# Allegro board ultrasound_tnr_1000a_01_20171121.brd (continued)
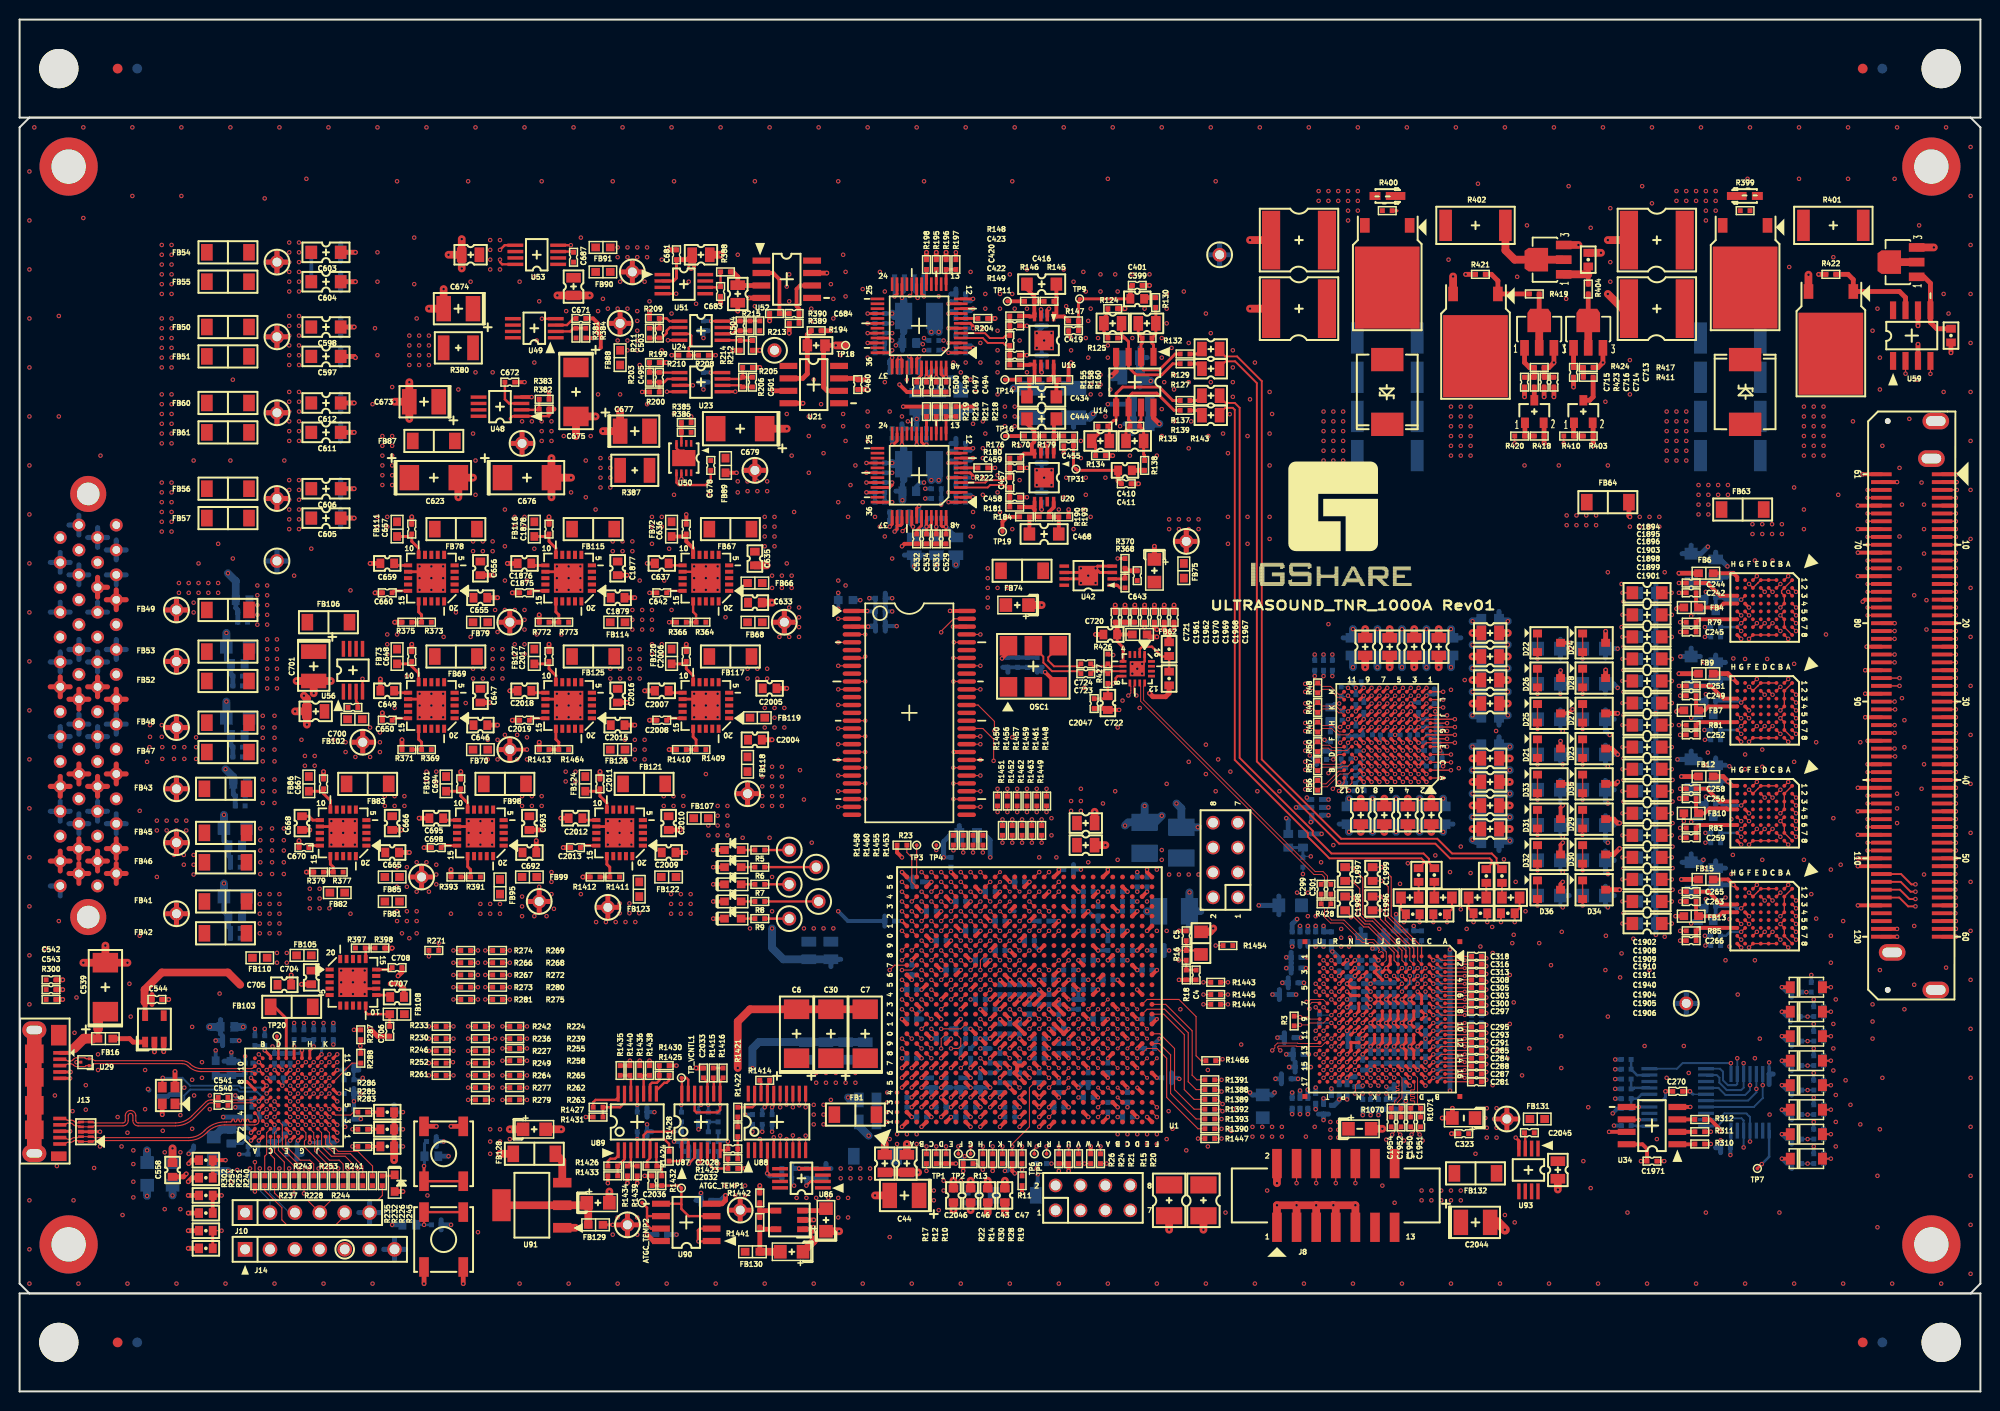
[diagram p0: board, top side]
## Placement (name value [footprint] x y rotation side) (continued)
C408  1uF  [CC2012]  121.5 101.62 180 top
C409  1uF  [CC2012]  121.5 99.62 180 top
C410  4.7uF  [CC1608]  112.75 94 0 top
C411  150pF  [CC1005]  112.88 92.62 0 top
C414  3.3nF  [CC2012]  113.75 97 0 top
C416  820pF  [CC3216]  104.25 113 0 top
C417  10uF  [TC3528]  103.25 100.88 270 bottom
C418  100nF  [CC1005]  104.25 105.25 90 bottom
C419  10nF  [CC1005]  107.5 108.25 180 top
C420  390pF  [CC1005]  101 107.25 270 top
C422  100pF  [CC1005]  101.5 105.75 0 top
C423  100pF  [CC1005]  101.5 108.75 0 top
C428  100nF  [CC1005]  104.25 109.25 90 bottom
C429  10uF  [TC3528]  107.5 100.88 270 bottom
C434  820pF  [CC3216]  104.25 101.5 0 top
C444  820pF  [CC3216]  104.25 99.25 0 top
C452  100nF  [CC1005]  104.25 91.25 90 bottom
C455  10nF  [CC1005]  107 96.5 180 top
C457  390pF  [CC1005]  101 92.75 270 top
C458  100pF  [CC1005]  101.5 91.25 0 top
C459  100pF  [CC1005]  101.5 94.25 0 top
C460  100nF  [CC1005]  85.5 102.75 90 top
C462  100nF  [CC1005]  104.25 95.25 90 bottom
C468  820pF  [CC3216]  104.5 87.5 0 top
C469  1uF  [CC1005]  89.75 112.75 0 bottom
C470  100nF  [CC1005]  89.75 113.75 0 bottom
C471  1uF  [CC1005]  89.25 105 0 bottom
C472  1uF  [CC1005]  87.75 107 0 bottom
C473  1uF  [CC1005]  91.75 113.75 180 bottom
C474  100nF  [CC1005]  89.25 104 0 bottom
C475  100nF  [CC1005]  87.75 106 0 bottom
C476  100nF  [CC1005]  91.75 112.75 180 bottom
C477  47uF  [CC3225]  91.75 94.62 180 bottom
C478  4.7uF  [CC1608]  90.75 91.88 180 bottom
C479  1uF  [CC1005]  93.5 91.12 0 bottom
C480  100nF  [CC1005]  93.5 92.12 0 bottom
C481  1uF  [CC1005]  96 111.25 180 bottom
C482  1uF  [CC1005]  96 110.25 180 bottom
C483  1uF  [CC1005]  96 108.5 180 bottom
C484  1uF  [CC1005]  96 106.75 180 bottom
C485  1uF  [CC1005]  91.25 105 180 bottom
C486  100nF  [CC1005]  96 112 180 bottom
C487  100nF  [CC1005]  96 109.5 180 bottom
C488  100nF  [CC1005]  96 107.75 180 bottom
C489  100nF  [CC1005]  96 106 180 bottom
C490  100nF  [CC1005]  91.25 104 180 bottom
C491  100nF  [CC1005]  69.75 103.5 270 bottom
C492  100nF  [CC1005]  93.62 104.12 180 bottom
C493  10uF  [CC2012]  96 101 270 bottom
C494  100nF  [CC1005]  94.5 102.5 270 top
C495  1nF  [CC1005]  65.25 103.5 90 top
C496  10uF  [CC2012]  93.75 101 270 bottom
C497  100nF  [CC1005]  93.5 102.5 270 top
C498  10uF  [CC2012]  91.5 101 270 bottom
C499  100nF  [CC1005]  92.5 102.5 270 top
C500  100nF  [CC1005]  91.5 102.5 270 top
C501  1nF  [CC1005]  74.75 103 90 top
C502  100nF  [CC1005]  69.75 108.75 270 bottom
C503  1nF  [CC1005]  65.25 108 90 top
C504  1nF  [CC1005]  73.5 108.75 90 top
C505  1uF  [CC1005]  89.25 88.88 0 bottom
C506  100nF  [CC1005]  89.25 89.75 0 bottom
C507  1uF  [CC1005]  87.75 91.75 0 bottom
C508  1uF  [CC1005]  92 97.25 180 bottom
C509  1uF  [CC1005]  89.5 98.25 0 bottom
C510  100nF  [CC1005]  87.75 90.75 0 bottom
C511  100nF  [CC1005]  92 98.25 180 bottom
C512  100nF  [CC1005]  89.5 97.25 0 bottom
C513  47uF  [CC3225]  91.75 109.75 180 bottom
C514  4.7uF  [CC1608]  90.75 107 180 bottom
C515  1uF  [CC1005]  93.25 107.25 0 bottom
C516  100nF  [CC1005]  93.25 106.25 0 bottom
C517  1uF  [CC1005]  96 96.75 180 bottom
C518  1uF  [CC1005]  96 95 180 bottom
C519  1uF  [CC1005]  96 93.25 180 bottom
C520  1uF  [CC1005]  96 91.5 180 bottom
C521  1uF  [CC1005]  91.25 89.75 180 bottom
C522  100nF  [CC1005]  96 96 180 bottom
C523  100nF  [CC1005]  96 94.25 180 bottom
C524  100nF  [CC1005]  96 92.5 180 bottom
C525  100nF  [CC1005]  96 90.75 180 bottom
C526  100nF  [CC1005]  91.25 88.88 180 bottom
C527  100nF  [CC1005]  93.5 89.12 180 bottom
C528  10uF  [CC2012]  95.5 86.25 270 bottom
C529  100nF  [CC1005]  94.5 87 270 top
C530  10uF  [CC2012]  93.5 86.25 270 bottom
C531  100nF  [CC1005]  93.5 87 270 top
C532  100nF  [CC1005]  91.5 87 270 top
C533  10uF  [CC2012]  91.25 86.25 270 bottom
C534  100nF  [CC1005]  92.5 87 270 top
C535  100nF  [CC1005]  42 25.5 0 bottom
C536  100nF  [CC1005]  42.5 17 180 bottom
C537  13pF  [CC1005]  14.6 30.6 270 bottom
C538  13pF  [CC1005]  15.8 29.8 90 bottom
C539  150uF  [TC6032]  8.75 41.25 90 top
C540  100nF  [CC1005]  20.75 29.2 0 top
C541  100nF  [CC1005]  20.75 30 0 top
C542  100nF  [CC1005]  3.2 42 0 top
C543  100nF  [CC1005]  3.2 41 0 top
C544  100nF  [CC1005]  14 40 180 top
C545  100nF  [CC1005]  27.6 34 270 bottom
C546  100nF  [CC1005]  32 36.4 270 bottom
C547  100nF  [CC1005]  31 36.4 270 bottom
C548  100nF  [CC1005]  33.6 30.4 180 bottom
C549  100nF  [CC1005]  21.2 35.8 0 bottom
C550  100nF  [CC1005]  33.6 27.8 180 bottom
C551  100nF  [CC1005]  31 25.4 180 bottom
C552  100nF  [CC1005]  33.6 28.8 180 bottom
C553  100nF  [CC1005]  26 26 90 bottom
C554  10nF  [CC1005]  28 36.4 270 bottom
C555  100nF  [CC1005]  23 33 270 bottom
C556  2.2uF  [CC1608]  21.6 33 270 bottom
C557  100nF  [CC1005]  24 28 0 bottom
C558  22uF  [CC1608]  15.6 22.6 90 top
C559  100nF  [CC1005]  23 26.4 90 bottom
C560  22uF  [CC1608]  21.6 26 90 bottom
C561  100nF  [CC1005]  23.2 29 0 bottom
C562  10nF  [CC1005]  23.2 29.8 0 bottom
C563  100nF  [CC1005]  23.8 33 90 bottom
C564  2.2uF  [CC1608]  21.2 37.2 0 bottom
C565  100nF  [CC1005]  23.8 25 0 bottom
C566  10nF  [CC1005]  23.8 24.2 0 bottom
C567  100nF  [CC1005]  27.8 24.2 180 bottom
C568  10nF  [CC1005]  27.8 25 180 bottom
C569  100nF  [CC1005]  29 36.4 270 bottom
C570  10nF  [CC1005]  30 36.4 270 bottom
C571  100nF  [CC1005]  24 35.8 270 bottom
C572  10nF  [CC1005]  25 35.8 270 bottom
C573  100nF  [CC1005]  27 26.8 90 bottom
C574  100nF  [CC1005]  33.6 32.8 180 bottom
C575  10nF  [CC1005]  33.6 31.8 180 bottom
C594  1uF  [CC1608]  22.75 80.75 180 bottom
C595  100nF  [CC1005]  22.75 79.5 180 bottom
C596  1nF  [CC1005]  22.75 78.5 180 bottom
C597  100nF  [CC3216]  31.25 105.62 0 top
C598  100nF  [CC3216]  31.25 108.62 0 top
C599  10uF  [TC2012]  22.25 76 180 bottom
C600  1uF  [CC1608]  22.25 74.25 180 bottom
C601  100nF  [CC1005]  22.25 73 180 bottom
C602  1nF  [CC1005]  22.25 72 180 bottom
C603  100nF  [CC3216]  31.25 116.25 0 top
C604  100nF  [CC3216]  31.25 113.25 0 top
C605  100nF  [CC3216]  31.25 89.12 0 top
C606  100nF  [CC3216]  31.25 92.12 0 top
C609  10uF  [CC2012]  86.25 34.75 90 bottom
C610  10uF  [CC2012]  82.25 34.75 90 bottom
C611  100nF  [CC3216]  31.25 97.88 0 top
C612  100nF  [CC3216]  31.25 100.88 0 top
C613  1uF  [CC1608]  22 48.5 180 bottom
C614  100nF  [CC1005]  22 47.25 180 bottom
C615  1nF  [CC1005]  22 46.25 180 bottom
C616  10UF  [TC2012]  22 50.5 180 bottom
C617  1uF  [CC1608]  22.5 62 0 bottom
C618  100nF  [CC1005]  22.5 59.75 0 bottom
C619  1nF  [CC1005]  22.5 60.75 0 bottom
C623  22uF  [TC6032]  42.25 93.25 0 top
C625  1uF  [CC1608]  22 55.75 180 bottom
C626  100nF  [CC1005]  22 53.5 180 bottom
C627  1nF  [CC1005]  22 54.5 180 bottom
C628  10UF  [TC2012]  22 57.5 180 bottom
C629  10UF  [TC2012]  22.25 68.75 180 bottom
C630  1uF  [CC1608]  22.25 67 180 bottom
C631  100nF  [CC1005]  22.25 64.75 180 bottom
C632  1nF  [CC1005]  22.25 65.75 180 bottom
C633  1uF  [CC1608]  75 80.5 0 top
C635  1uF  [CC1608]  75 85 270 top
C636  100nF  [CC1005]  68 88 90 top
C637  1uF  [CC1608]  65.5 84.5 180 top
C642  1nF  [CC1005]  65.5 81.5 180 top
C643  10nF  [CC1005]  114 83.25 90 top
C644  10uF  [TC2012]  101.75 80.25 180 top
C645  10uF  [TC2012]  115.75 83.75 270 top
C646  1uF  [CC1608]  47 68 0 top
C647  1uF  [CC1608]  47 71 270 top
C648  100nF  [CC1005]  40 75 90 top
C649  1uF  [CC1608]  37.5 71.5 180 top
C650  1nF  [CC1005]  37.5 68.5 180 top
C655  1uF  [CC1608]  47 81 0 top
C656  1uF  [CC1608]  47 84 270 top
C657  100nF  [CC1005]  40 88 90 top
C659  1uF  [CC1608]  37.5 84.5 180 top
C660  1nF  [CC1005]  37.5 81.5 180 top
C665  1uF  [CC1608]  38 55 0 top
C666  1uF  [CC1608]  38 58 270 top
C667  100nF  [CC1005]  31 62 90 top
C668  1uF  [CC1608]  28.8 58 270 top
C670  1nF  [CC1005]  29 55.5 180 top
C671  10nF  [CC1005]  57.25 109.5 0 top
C672  10nF  [CC1005]  50 103 0 top
C673  10uF  [TC3528]  41.25 101 180 top
C674  10uF  [TC3528]  44.75 110.5 180 top
C675  22uF  [TC6032]  56.75 102 270 top
C676  22uF  [TC6032]  51.75 93.25 0 top
C677  10uF  [TC3528]  62.75 98 0 top
C678  10nF  [CC1005]  70.5 94.5 270 top
C679  22uF  [TC6032]  73.5 98.25 180 top
C680  10uF  [CC2012]  69.5 116 0 top
C681  100nF  [CC1005]  67 116 90 top
C682  10uF  [CC2012]  73.25 112 270 top
C683  100nF  [CC1005]  71.5 112.25 270 top
C684  22pF  [CC1005]  79 110 0 top
C685  10uF  [CC2012]  56.5 112.75 270 top
C686  10uF  [CC2012]  46 116 180 top
C687  10nF  [CC1005]  56.5 115.75 90 top
C692  1uF  [CC1608]  52 55 0 top
C693  1uF  [CC1608]  52 58 270 top
C694  100nF  [CC1005]  45 62 90 top
C695  1uF  [CC1608]  42.5 58.5 180 top
C698  1nF  [CC1005]  42.5 55.5 180 top
C699  10uF  [CC2012]  30.2 69.4 180 top
C700  10nF  [CC1005]  34 69.8 0 top
C701  10UF  [TC3528]  30 74 270 top
C704  1uF  [CC1608]  29.75 42.25 270 top
C705  1uF  [CC1608]  27 41.5 0 top
C706  100nF  [CC1005]  37.75 36.75 270 top
C707  1uF  [CC1608]  38.5 40.25 0 top
C708  1nF  [CC1005]  38.5 43.25 0 top
C709  4.7uF  [CC5750]  167 110.5 0 top
C710  4.7uF  [CC5750]  167 117.5 0 top
C711  4.7uF  [CC5750]  130.5 117.5 0 top
C712  4.7uF  [CC5750]  130.5 110.5 0 top
C713  100nF/DNI  [CC1005]  158.5 104 90 top
C714  100nF  [CC1005]  156.5 103 90 top
C715  100nF/DNI  [CC1005]  153.5 103 90 top
C716  100nF  [CC1005]  155.5 103 90 top
C717  100nF  [CC1005]  87.8 80.95 180 bottom
C718  10nF  [CC1005]  87.8 78.1 180 bottom
C719  1nF  [CC1005]  87.8 79.6 180 bottom
C720  4.7uF  [CC1608]  111.25 77.25 180 top
C721  100nF  [CC1005]  111.75 79 90 top
C722  4.7uF  [CC1608]  111 70.25 270 top
C723  100nF  [CC1005]  108.75 73.25 180 top
C724  100nF  [CC1005]  108.75 74.25 180 top
C1875  1nF  [CC1005]  51.5 81.5 180 top
C1876  1uF  [CC1608]  51.5 84.5 180 top
C1877  1uF  [CC1608]  61 84 270 top
C1878  100nF  [CC1005]  54 88 90 top
C1879  1uF  [CC1608]  61 81 0 top
C1894  100nF  [CC3216]  166 81.5 0 top
C1895  100nF  [CC3216]  166 79.25 0 top
C1896  100nF  [CC3216]  166 77 0 top
C1898  100nF  [CC3216]  166 72.5 0 top
C1899  100nF  [CC3216]  166 70.25 0 top
C1901  100nF  [CC3216]  166 68 0 top
C1902  100nF  [CC3216]  166 65.75 0 top
C1903  100nF  [CC3216]  166 74.75 0 top
C1904  100nF  [CC3216]  166 52.25 0 top
C1905  100nF  [CC3216]  166 50 0 top
C1906  100nF  [CC3216]  166 47.75 0 top
C1908  100nF  [CC3216]  166 63.5 0 top
C1909  100nF  [CC3216]  166 61.25 0 top
C1910  100nF  [CC3216]  166 59 0 top
C1911  100nF  [CC3216]  166 56.75 0 top
C1940  100nF  [CC3216]  166 54.5 0 top
C1950  100nF  [CC1005]  141.9 27.5 270 top
C1951  100nF  [CC1005]  142.9 27.5 270 top
C1952  100nF  [CC1005]  140.9 27.5 270 top
C1954  100nF  [CC1005]  139.9 27.5 270 top
C1961  100nF  [CC1005]  112.75 79 90 top
C1962  100nF  [CC1005]  113.75 79 90 top
C1963  100nF  [CC1005]  100.8 74.4 270 bottom
C1964  100nF  [CC1005]  101.8 74.4 270 bottom
C1965  1nF  [CC1005]  103.8 74.4 270 bottom
C1966  100nF  [CC1005]  102.8 74.4 270 bottom
C1967  100nF  [CC1005]  117.75 79 90 top
C1968  100nF  [CC1005]  116.75 79 90 top
C1969  100nF  [CC1005]  115.75 79 90 top
C1970  100nF  [CC1005]  114.75 79 90 top
C1971  100nF  [CC1005]  166.5 23.5 0 top
C1972  1uF  [CC1005]  148.6 32 180 bottom
C1973  1uF  [CC1005]  148.6 32.8 180 bottom
C1974  1uF  [CC1005]  148.6 34.4 180 bottom
C1975  1uF  [CC1005]  148.6 35.2 180 bottom
C1976  1uF  [CC1005]  148.6 33.6 180 bottom
C1977  1uF  [CC1005]  148.6 36 180 bottom
C1978  1uF  [CC1005]  148.6 36.8 180 bottom
C1979  1uF  [CC1005]  148.6 37.6 180 bottom
C1980  1uF  [CC1005]  148.6 38.4 180 bottom
C1981  1uF  [CC1005]  148.6 39.2 180 bottom
C1982  1uF  [CC1005]  148.6 40 180 bottom
C1983  1uF  [CC1005]  148.6 40.8 180 bottom
C1984  1uF  [CC1005]  148.6 41.6 180 bottom
C1985  1uF  [CC1005]  148.6 42.4 180 bottom
C1986  1uF  [CC1005]  148.6 43.2 180 bottom
C1987  1uF  [CC1005]  148.6 44 180 bottom
C1988  680pF  [RC1608]  149 48.8 0 top
C1989  22uF  [RC2012]  148.7 50.4 180 top
C1990  680pF  [RC1608]  151.8 48.8 180 top
C1991  22uF  [RC2012]  152.1 50.4 0 top
C1992  680pF  [RC1608]  144.9 48.7 180 top
C1993  22uF  [RC2012]  145.2 50.4 0 top
C1994  680pF  [RC1608]  142.1 48.7 0 top
C1995  22uF  [RC2012]  141.8 50.4 180 top
C1996  1uF  [CC1608]  138 49.8 270 top
C1997  1uF  [CC1608]  135.2 52.8 270 top
C1998  1uF  [CC1608]  135.2 49.8 90 top
C1999  1uF  [CC1608]  138 52.8 90 top
C2000  1uF  [CC1005]  140.6 46.5 270 bottom
C2001  1uF  [CC1005]  141.4 46.5 270 bottom
C2002  1uF  [CC1005]  142.2 46.5 270 bottom
C2003  1uF  [CC1005]  143 46.5 270 bottom
C2004  1uF  [CC1608]  75 66.5 0 top
C2005  1uF  [CC1608]  76.5 71.75 0 top
C2006  100nF  [CC1005]  68 75 90 top
C2007  1uF  [CC1608]  65.5 71.5 180 top
C2008  1nF  [CC1005]  65.5 68.5 180 top
C2009  1uF  [CC1608]  66.2 55 0 top
C2010  1uF  [CC1608]  66.2 58 270 top
C2011  100nF  [CC1005]  59.2 62 90 top
C2012  1uF  [CC1608]  56.7 58.5 180 top
C2013  1nF  [CC1005]  56.7 55.5 180 top
C2015  1uF  [CC1608]  61 68 0 top
C2016  1uF  [CC1608]  61 71 270 top
C2017  100nF  [CC1005]  54 75 90 top
C2018  1uF  [CC1608]  51.5 71.5 180 top
C2019  1nF  [CC1005]  51.5 68.5 180 top
C2020  10pF  [CC1005]  81.25 22.25 90 bottom
C2021  220nF  [RC1005]  80.25 22.25 90 bottom
C2022  100nF  [CC1005]  82.25 22.25 90 bottom
C2023  100nF  [CC1005]  68.75 24.5 180 bottom
C2024  100nF  [CC1005]  78.25 22.75 0 bottom
C2025  100nF  [CC1005]  69.25 28 270 bottom
C2026  10pF  [CC1005]  78.25 21.75 0 bottom
C2027  100nF  [CC1005]  75.75 27.75 270 bottom
C2028  150pF  [CC1005]  72.75 24.75 0 top
C2029  330pF  [RC1005]  71.25 28 270 bottom
C2030  100nF  [CC1005]  76.75 27.75 270 bottom
C2031  10pF  [CC1005]  74.75 27.75 270 bottom
C2032  120pF  [RC1005]  72.75 22.75 0 top
C2033  120pF  [RC1005]  69.75 32.5 90 top
C2034  100nF  [CC1005]  63.5 26.5 0 bottom
C2035  100nF  [CC1005]  63.5 28.5 0 bottom
C2036  1nF  [CC1005]  64.5 21.5 90 top
C2037  100nF  [CC1005]  65.5 16 0 bottom
C2038  100nF  [CC1005]  70 19.5 180 bottom
C2039  10uF  [TC2012]  52.5 26.75 0 top
C2040  10uF  [TC2012]  59 19.25 0 top
C2041  10uF  [TC2012]  82.25 17.5 90 top
C2042  10uF  [TC2012]  78.75 14.25 180 top
C2043  10uF  [CC2012]  156.9 22.6 270 top
C2044  10UF  [TC3528]  148.5 17.25 0 top
C2045  10nF  [CC1005]  154 26.4 180 top
C2046  4.7uF  [CC1608]  95.25 20 270 top
C2047  100nF  [CC1005]  109.6 70.2 270 top
D1  BL-HG036A-AV-TRB  [LED1608]  72.75 55.25 180 top
D2  BL-HG036A-AV-TRB  [LED1608]  72.75 53.5 180 top
D3  BL-HG036A-AV-TRB  [LED1608]  72.75 51.75 180 top
D4  BL-HG036A-AV-TRB  [LED1608]  72.75 50 180 top
D5  BL-HG036A-AV-TRB  [LED1608]  72.75 48.25 180 top
D6  MMSZ5235B  [SOD-123W]  182.25 41.25 0 top
D7  MMSZ5235B  [SOD-123W]  182.25 38.75 0 top
D8  MMSZ5235B  [SOD-123W]  182.25 36.25 0 top
D9  MMSZ5235B  [SOD-123W]  182.25 33.75 0 top
D10  MMSZ5235B  [SOD-123W]  182.25 31.25 0 top
D11  MMSZ5235B  [SOD-123W]  182.25 28.75 0 top
D12  MMSZ5235B  [SOD-123W]  182.25 26.25 0 top
D13  MMSZ5235B  [SOD-123W]  182.25 23.75 0 top
D14  ES3D  [DO-214AB]  176 102 90 top
D15  ES3D  [DO-214AB]  139.5 102 270 top
D16  TFZGTR12B  [ZD-TFZ12B]  176.5 122 180 top
D17  TFZGTR12B  [ZD-TFZ12B]  139 122 0 top
D20  BL-HG036A-AV-TRB  [LED1608]  38.25 21.25 90 top
D21  BAT54S  [SOT-23]  156 65.6 270 top
D22  BAT54S  [SOT-23]  156 76.4 270 top
D23  BAT54S  [SOT-23]  160.6 65.6 270 top
D24  BAT54S  [SOT-23]  160.6 76.4 270 top
D25  BAT54S  [SOT-23]  156 69.2 270 top
D26  BAT54S  [SOT-23]  156 72.8 270 top
D27  BAT54S  [SOT-23]  160.6 69.2 270 top
D28  BAT54S  [SOT-23]  160.6 72.8 270 top
D29  BAT54S  [SOT-23]  160.6 58.4 270 top
D30  BAT54S  [SOT-23]  160.6 54.8 270 top
D31  BAT54S  [SOT-23]  156 58.4 270 top
D32  BAT54S  [SOT-23]  156 54.8 270 top
D33  BAT54S  [SOT-23]  156 62 270 top
D34  BAT54S  [SOT-23]  160.6 51.2 270 top
D35  BAT54S  [SOT-23]  160.6 62 270 top
D36  BAT54S  [SOT-23]  156 51.2 270 top
FB1  BLM41PG750SN1  [BEAD4516]  85.25 28.25 0 top
FB2  BLM41PG750SN1  [BEAD4516]  87.25 24 0 bottom
FB3  BLM41PG750SN1  [BEAD4516]  101.5 20 0 bottom
FB4  BLM18AG121SN1  [BEAD1608]  170.5 80 180 top
FB5  BLM18AG121SN1  [BEAD1608]  172.25 79.62 180 bottom
FB6  BLM18AG121SN1  [BEAD1608]  172 83.5 180 top
FB7  BLM18AG121SN1  [BEAD1608]  170.5 69.5 180 top
FB8  BLM18AG121SN1  [BEAD1608]  172 69 180 bottom
FB9  BLM18AG121SN1  [BEAD1608]  172 73.25 180 top
FB10  BLM18AG121SN1  [BEAD1608]  170.5 59 180 top
FB11  BLM18AG121SN1  [BEAD1608]  172 58.62 180 bottom
FB12  BLM18AG121SN1  [BEAD1608]  172 62.75 180 top
FB13  BLM18AG121SN1  [BEAD1608]  170.5 48.5 180 top
FB14  BLM18AG121SN1  [BEAD1608]  172 48 180 bottom
FB15  BLM18AG121SN1  [BEAD1608]  172 52.25 180 top
FB16  BLM18PG181SN1  [BEAD1608]  8.75 36 180 top
FB17  MPZ2012S601A  [BEAD2012]  19.8 24.8 270 bottom
FB18  MPZ2012S601A  [BEAD2012]  15.6 22.2 270 bottom
FB19  MPZ2012S601A  [BEAD2012]  13 22.2 270 bottom
FB41  BLM41PG600SN1  [BEAD4516]  21 50 0 top
FB42  BLM41PG600SN1  [BEAD4516]  21 46.75 0 top
FB43  BLM41PG600SN1  [BEAD4516]  21 61.5 0 top
FB45  BLM41PG600SN1  [BEAD4516]  21 57 0 top
FB46  BLM41PG600SN1  [BEAD4516]  21 54 0 top
FB47  BLM41PG600SN1  [BEAD4516]  21.25 65.25 0 top
FB48  BLM41PG600SN1  [BEAD4516]  21.25 68.25 0 top
FB49  BLM41PG181SN1  [BEAD4516]  21.25 79.75 0 top
FB50  BLM41PG181SN1  [BEAD4516]  21.25 108.62 0 top
FB51  BLM41PG181SN1  [BEAD4516]  21.25 105.62 0 top
FB52  BLM41PG181SN1  [BEAD4516]  21.25 72.5 0 top
FB53  BLM41PG181SN1  [BEAD4516]  21.25 75.5 0 top
FB54  BLM41PG181SN1  [BEAD4516]  21.25 116.25 0 top
FB55  BLM41PG181SN1  [BEAD4516]  21.25 113.25 0 top
FB56  BLM41PG181SN1  [BEAD4516]  21.25 92.12 0 top
FB57  BLM41PG181SN1  [BEAD4516]  21.25 89.12 0 top
FB60  BLM41PG181SN1  [BEAD4516]  21.25 100.88 0 top
FB61  BLM41PG181SN1  [BEAD4516]  21.25 97.88 0 top
FB62  BLM18PG181SN1  [BEAD1608]  114.25 77.25 180 top
FB63  BLM41PG750SN1  [BEAD4516]  175.75 90 0 top
FB64  BLM41PG750SN1  [BEAD4516]  162 90.75 0 top
FB66  BLM18PG181SN1  [BEAD1608]  75 82.5 0 top
FB67  BLM41PG750SN1  [BEAD4516]  72.5 88 180 top
FB68  BLM18PG181SN1  [BEAD1608]  75 78.5 0 top
FB69  BLM41PG750SN1  [BEAD4516]  44.5 75 180 top
FB70  BLM18PG181SN1  [BEAD1608]  47 65.5 0 top
FB72  BLM18PG181SN1  [BEAD1608]  66.5 88 270 top
FB73  BLM18PG181SN1  [BEAD1608]  38.5 75 270 top
FB74  BLM41PG750SN1  [BEAD4516]  102.25 83.75 0 top
FB75  BLM18PG181SN1  [BEAD1608]  118.75 83.75 90 top
FB78  BLM41PG750SN1  [BEAD4516]  44.5 88 180 top
FB79  BLM18PG181SN1  [BEAD1608]  47 78.5 0 top
FB81  BLM18PG181SN1  [BEAD1608]  38 50 0 top
FB82  BLM18PG181SN1  [BEAD1608]  32.4 50.9 180 top
FB83  BLM41PG750SN1  [BEAD4516]  35.5 62 180 top
FB84  BLM18PG181SN1  [BEAD1608]  20 33 270 bottom
FB85  BLM18PG181SN1  [BEAD1608]  38 52.5 0 top
FB86  BLM18PG181SN1  [BEAD1608]  29.5 62 270 top
FB87  BLM41PG750SN1  [BEAD4516]  42.25 97 0 top
FB88  BLM18PG181SN1  [BEAD1608]  61.25 105.5 90 top
FB89  BLM18PG181SN1  [BEAD1608]  72 94.5 270 top
FB90  BLM18PG181SN1  [BEAD1608]  59.5 114.25 0 top
FB91  BLM18PG181SN1  [BEAD1608]  59.5 116.75 180 top
FB95  BLM18PG181SN1  [BEAD1608]  49 51.5 270 top
FB98  BLM41PG750SN1  [BEAD4516]  49.5 62 180 top
FB99  BLM18PG181SN1  [BEAD1608]  52 52.5 0 top
FB101  BLM18PG181SN1  [BEAD1608]  43.5 62 270 top
FB102  BLM18PG181SN1  [BEAD1608]  34.2 68.6 0 top
FB103  BLM41PG750SN1  [BEAD4516]  27.75 39.25 0 top
FB105  BLM18PG181SN1  [BEAD1608]  29 44.5 180 top
FB106  BLM41PG750SN1  [BEAD4516]  31.5 78.5 0 top
FB107  BLM18PG181SN1  [BEAD1608]  69.5 58.5 0 top
FB108  BLM18PG181SN1  [BEAD1608]  38.5 38.5 180 top
FB109  BLM18PG181SN1  [BEAD1608]  84.25 80.75 0 bottom
FB110  BLM18PG181SN1  [BEAD1608]  24.5 44.25 0 top
FB111  BLM18PG181SN1  [BEAD1608]  38.5 88 270 top
FB114  BLM18PG181SN1  [BEAD1608]  61 78.5 0 top
FB115  BLM41PG750SN1  [BEAD4516]  58.5 88 180 top
FB116  BLM18PG181SN1  [BEAD1608]  52.5 88 270 top
FB117  BLM41PG750SN1  [BEAD4516]  72.5 75 180 top
FB118  BLM18PG181SN1  [BEAD1608]  74.25 64 270 top
FB119  BLM18PG181SN1  [BEAD1608]  75.25 68.75 0 top
FB120  BLM18PG181SN1  [BEAD1608]  66.5 75 270 top
FB121  BLM41PG750SN1  [BEAD4516]  63.7 62 180 top
FB122  BLM18PG181SN1  [BEAD1608]  66.2 52.5 0 top
FB123  BLM18PG181SN1  [BEAD1608]  63.2 51.25 270 top
FB124  BLM18PG181SN1  [BEAD1608]  57.7 62 270 top
FB125  BLM41PG750SN1  [BEAD4516]  58.5 75 180 top
FB126  BLM18PG181SN1  [BEAD1608]  61 65.5 0 top
FB127  BLM18PG181SN1  [BEAD1608]  52.5 75 270 top
FB128  BLM41PG750SN1  [BEAD4516]  52.5 24.25 0 top
FB129  BLM18PG181SN1  [BEAD1608]  58.75 17 0 top
FB130  BLM18PG181SN1  [BEAD1608]  74.75 14.25 180 top
FB131  BLM18PG181SN1  [BEAD1608]  154.8 27.8 180 top
FB132  BLM41PG750SN1  [BEAD4516]  148.5 22.25 0 top
FB133  BLM21PG221SN1  [BEAD2012]  120.5 45.75 90 top
H1  PCB_HOLE  [HOLE3_5]  5 125 0 top
H2  PCB_HOLE  [HOLE3_5]  195 125 0 top
H3  PCB_HOLE  [HOLE3_5]  5 15 0 top
H4  PCB_HOLE  [HOLE3_5]  195 15 0 top
J1  HEADER_2.54mm_2ROW_4P  [HEADER2X4_2_54MM]  123 55.5 90 top
J3  1__PIN__HDR  [1PIN-HDR]  78.5 55.25 0 top
J4  1__PIN__HDR  [1PIN-HDR]  81.25 53.5 0 top
J5  1__PIN__HDR  [1PIN-HDR]  78.5 51.75 0 top
J6  1__PIN__HDR  [1PIN-HDR]  81.5 50 0 top
J7  1__PIN__HDR  [1PIN-HDR]  78.5 48.25 0 top
J8  BOX-HEADER-14P,2mm/SMD  [BOX_HEADER2X7_2MM_SMD]  134.25 20 0 top
J10  Pin__Header_2.54mm_1row_6P  [HEADER6]  23 18.25 0 top
J12  8832E-060FS-N-F  [8832E-060-FS-N-F]  7 70 90 bottom
J13  -  [ZX360D-B-10P]  1.5 33.25 270 top
J14  Pin__Header_2.54mm_1row_7p  [HEADER7]  23 14.5 0 top
J17  FX18-120S-0.8SV15  [FX18-120S_0_8SV15-HRS]  193 70 270 top
J18  HEADER_2.54mm_2ROW_4P  [HEADER2X4_2_54MM]  110.75 19.75 0 top
L2  10uH/MLF2012E100KT  [BEAD2012]  156 65 180 bottom
L3  10uH/MLF2012E100KT  [BEAD2012]  160.6 65 180 bottom
L4  10uH/MLF2012E100KT  [BEAD2012]  156 68.6 180 bottom
L5  10uH/MLF2012E100KT  [BEAD2012]  160.6 68.6 180 bottom
L6  10uH/MLF2012E100KT  [BEAD2012]  160.6 75.8 180 bottom
L7  10uH/MLF2012E100KT  [BEAD2012]  156 75.8 180 bottom
L8  10uH/MLF2012E100KT  [BEAD2012]  156 72.2 180 bottom
L9  10uH/MLF2012E100KT  [BEAD2012]  160.6 72.2 180 bottom
L10  10uH/MLF2012E100KT  [BEAD2012]  156 57.8 180 bottom
L11  10uH/MLF2012E100KT  [BEAD2012]  160.6 57.8 180 bottom
L12  10uH/MLF2012E100KT  [BEAD2012]  156 61.4 180 bottom
L13  10uH/MLF2012E100KT  [BEAD2012]  160.6 61.4 180 bottom
L14  10uH/MLF2012E100KT  [BEAD2012]  156 54.2 180 bottom
L15  10uH/MLF2012E100KT  [BEAD2012]  160.6 54.2 180 bottom
L16  10uH/MLF2012E100KT  [BEAD2012]  160.6 50.6 180 bottom
L17  10uH/MLF2012E100KT  [BEAD2012]  156 50.6 180 bottom
NOREF  -  []  155.75 -17.25 0 top
NOREF#2  -  []  1 10 90 top
NOREF#3  -  []  0 130 90 top
NOREF#4  -  []  125.6 82.2 0 top
NOREF#5  -  [unnamed#2]  4 5 0 top
NOREF#6  -  []  0 0 90 top
NOREF#7  -  [unnamed#2]  196 135 180 top
NOREF#8  -  [unnamed#2]  4 135 0 top
NOREF#9  -  []  0 0 0 top
NOREF#10  -  []  210.25 40.25 0 top
NOREF#11  -  [unnamed#3]  188 5 180 top
NOREF#12  -  [unnamed#2]  196 5 180 top
NOREF#13  -  [unnamed#3]  10 135 0 top
NOREF#14  -  [unnamed#3]  188 135 180 top
NOREF#15  -  [unnamed#3]  10 5 0 top
NOREF#16  -  [unnamed#3]  12 135 180 bottom
NOREF#17  -  [unnamed#3]  12 5 180 bottom
NOREF#18  -  [unnamed#3]  190 135 0 bottom
NOREF#19  -  [unnamed#3]  190 5 0 bottom
OSC1  SLO-G102550ADSR-40MHz  [SLO-10]  103.4 74 0 top
Q1  FQD7P20TM  [TO-252]  176 119 180 top
Q2  FDD120AN15AQ  [TO-252]  139.5 119 180 top
Q3  TN2524N8  [SOT89-B]  193.5 115.25 90 top
Q4  TP2520N8  [SOT89-B]  157.5 115.5 90 top
Q5  MMBT2907(Fairchild)  [SOT23]  159.5 100 0 top
Q6  TN2524N8  [SOT89-B]  160 106.5 0 top
Q7  FDD120AN15AQ  [TO-252]  184.75 112.25 180 top
Q8  FQD7P20TM  [TO-252]  148.5 112 180 top
Q9  MMBT2907(Fairchild)  [SOT23]  154.5 100 0 top
Q10  TN2524N8  [SOT89-B]  155 106.5 0 top
R3  100  [RC1005]  130 37.8 90 top
R5  330  [RC1005]  75.5 55.25 180 top
R6  330  [RC1005]  75.5 53.5 180 top
R7  330  [RC1005]  75.5 51.75 180 top
R8  330  [RC1005]  75.5 50 180 top
R9  330  [RC1005]  75.5 48.25 180 top
R10  330  [RC1005]  94.5 23.75 270 top
R11  10K  [RC1005]  102.25 21.5 270 top
R12  4.7K  [RC1005]  93.5 23.75 270 top
R13  10K  [RC1005]  96.75 23.25 180 top
R14  4.7K  [RC1005]  99.25 23.75 270 top
R15  10K  [RC1005]  109.25 23.75 90 top
R16  330  [RC1005]  119 44.5 90 top
R17  0  [RC1005]  92.5 23.75 270 top
R18  330  [RC1005]  119 42.5 90 top
R19  0  [RC1005]  102.25 23.75 270 top
R20  0  [RC1005]  110.25 23.75 270 top
R21  0  [RC1005]  108 23.75 270 top
R22  0  [RC1005]  98.25 23.75 270 top
R23  10K  [RC1005]  90 55.75 180 top
R24  4.7K/DNI  [RC1005]  107 23.75 90 top
R25  0/DNI  [RC1005]  107 23.75 270 bottom
R26  4.7K/DNI  [RC1005]  106 23.75 90 top
R27  0/DNI  [RC1005]  106 23.75 270 bottom
R28  4.7K/DNI  [RC1005]  101.25 23.75 90 top
R29  0/DNI  [RC1005]  101.25 23.75 270 bottom
R30  0/DNI  [RC1005]  100.25 23.75 90 top
R31  0  [RC1005]  97.25 20.25 180 bottom
R32  0/DNI  [RC1005]  97.25 19.25 180 bottom
R45  100  [RC1005]  132.4 67.8 90 top
R46  100  [RC1005]  134.8 71.4 270 bottom
R47  100  [RC1005]  134.9 69 270 bottom
R48  100  [RC1005]  132.4 71.8 270 top
R49  100  [RC1005]  132.4 69.8 270 top
R50  100  [RC1005]  132.4 65.8 90 top
R53  10K  [RC1608]  130.9 56.2 90 bottom
R56  100  [RC1005]  132.4 61.85 90 top
R57  100  [RC1005]  132.4 63.85 90 top
R58  0/DNI  [RC1608]  133.7 69.1 90 bottom
R61  0/DNI  [RC1005]  135.9 65.35 0 bottom
R64  0  [RC1005]  135 66.9 0 bottom
R65  0  [RC1005]  135.3 64.55 180 bottom
R66  0  [RC1005]  132.8 64.5 180 bottom
R79  20  [RC1005]  170.5 78.5 180 top
R80  20  [RC1005]  173 77 180 bottom
R81  20  [RC1005]  170.5 68 180 top
R82  20  [RC1005]  173 66.5 180 bottom
R83  20  [RC1005]  170.5 57.5 180 top
R84  20  [RC1005]  173 56 180 bottom
R85  20  [RC1005]  170.5 47 180 top
R86  20  [RC1005]  173 45.5 180 bottom
R87  10K/DNI  [RC1005]  163.88 29.88 180 bottom
R88  10K/DNI  [RC1005]  163.88 31.88 180 bottom
R89  10K/DNI  [RC1005]  163.88 33.88 180 bottom
R90  10K  [RC1005]  163.88 28.88 0 bottom
R91  10K  [RC1005]  163.88 30.88 0 bottom
R92  10K  [RC1005]  163.88 32.88 0 bottom
R93  10K  [RC1005]  163.88 27.12 0 bottom
R95  10K  [RC1005]  183.25 41.75 180 bottom
R96  10K  [RC1005]  183.5 39.25 180 bottom
R97  10K  [RC1005]  183.5 36.75 180 bottom
R98  10K  [RC1005]  183.5 34.25 180 bottom
R100  4.99K  [RC1005]  183.25 40.75 180 bottom
R101  4.99K  [RC1005]  183.5 38.25 180 bottom
R102  4.99K  [RC1005]  183.5 35.75 180 bottom
R103  4.99K  [RC1005]  183.5 33.25 180 bottom
R111  10K  [RC1005]  183.5 31.75 180 bottom
R112  10K  [RC1005]  183.5 29.25 180 bottom
R113  10K  [RC1005]  183.5 26.75 180 bottom
R114  10K  [RC1005]  183.5 24.25 180 bottom
R115  4.99K  [RC1005]  183.5 30.75 180 bottom
R116  4.99K  [RC1005]  183.5 28.25 180 bottom
R117  4.99K  [RC1005]  183.5 25.75 180 bottom
R118  4.99K  [RC1005]  183.5 23.25 180 bottom
R124  0  [RC1005]  111.5 110.5 0 top
R125  499  [RC1005]  111.5 107.5 180 top
R127  0  [RC1005]  118.88 104.88 180 top
R129  0  [RC1005]  118.88 105.88 180 top
R130  49.9  [RC1005]  115.88 111.12 90 top
R132  499  [RC1005]  115 107.5 180 top
R134  0  [RC1005]  110.25 95.5 0 top
R135  499  [RC1005]  110.5 98.5 180 top
R137  0  [RC1005]  118.88 101.12 180 top
R138  49.9  [RC1005]  114.75 94.5 270 top
R139  0  [RC1005]  118.88 100.12 180 top
R143  499  [RC1005]  113.75 98.5 180 top
R145  4.02K  [RC1005]  105 111.25 180 top
R146  1K  [RC1005]  103 111.25 180 top
R147  200  [RC1005]  107.5 109.25 180 top
R148  24.9  [RC1005]  101.5 109.75 180 top
R149  24.9  [RC1005]  101.5 104.75 180 top
R155  1K  [RC1005]  102.5 103.25 180 top
R158  4.02K  [RC1005]  104.5 103.25 180 top
R160  402  [RC1005]  106.5 103.25 180 top
R170  4.02K  [RC1005]  105 97.5 180 top
R176  1K  [RC1005]  103 97.5 180 top
R179  200  [RC1005]  107 97.5 180 top
R180  24.9  [RC1005]  101.5 95.25 180 top
R181  24.9  [RC1005]  101.5 90.25 180 top
R184  1K  [RC1005]  102.5 89.25 180 top
R190  4.02K  [RC1005]  104.5 89.25 180 top
R192  796  [RC2012]  81.25 106.75 180 top
R193  402  [RC1005]  106.5 89.25 180 top
R194  10K/DNI  [RC1005]  81.25 108.25 0 top
R195  10K  [RC1005]  93.5 115 270 top
R196  1K  [RC1005]  94.5 115 270 top
R197  0/DNI  [RC1005]  95.5 115 270 top
R198  10K  [RC1005]  92.5 115 270 top
R199  0  [RC1005]  64.75 105 180 top
R200  562  [RC1005]  64.75 102 180 top
R201  R/DNI  [RC1005]  87.75 109 180 bottom
R202  R/DNI  [RC1005]  87.75 108 180 bottom
R203  329  [RC1005]  64.25 103.5 90 top
R204  60.4K  [RC1005]  98.25 109.5 180 top
R205  0  [RC1005]  74.25 104.5 180 top
R206  300  [RC1005]  73.75 103 90 top
R207  R/DNI  [RC1005]  87.75 110 180 bottom
R208  2K  [RC1005]  69.75 105.75 180 top
R209  0  [RC1005]  64.75 109.5 0 top
R210  3.57K  [RC1005]  67.75 105.75 180 top
R211  300  [RC1005]  64.25 108 90 top
R212  2K  [RC1005]  74.75 106.75 90 top
R213  0/DNI  [RC1005]  75.5 108.75 90 top
R214  3K/DNI  [RC1005]  73.5 106.75 270 top
R215  300  [RC1005]  74.5 108.75 90 top
R216  10K  [RC1005]  93.5 100 270 top
R217  1K  [RC1005]  94.5 100 270 top
R218  0/DNI  [RC1005]  95.5 100 270 top
R219  10K  [RC1005]  92.5 100 270 top
R220  R/DNI  [RC1005]  87.75 93.75 180 bottom
R221  R/DNI  [RC1005]  87.75 92.75 180 bottom
R222  60.4K  [RC1005]  98.25 94.25 180 top
R223  R/DNI  [RC1005]  87.75 94.75 180 bottom
R224  22  [RC1005]  50.5 37.25 180 top
R225  22  [RC1005]  28.5 21.5 90 bottom
R226  22  [RC1005]  36 21.5 90 top
R227  22  [RC1005]  47 34.75 180 top
R228  22  [RC1005]  30 21.5 90 top
R229  22  [RC1005]  34.5 21.5 90 bottom
R230  22  [RC1005]  43 36 180 top
R231  22  [RC1005]  26.5 21.5 90 bottom
R232  22  [RC1005]  35 21.5 90 top
R233  22  [RC1005]  43 37.25 180 top
R234  22  [RC1005]  27.5 21.5 90 bottom
R235  22  [RC1005]  34 21.5 90 top
R236  22  [RC1005]  47 36 180 top
R237  22  [RC1005]  28 21.5 90 top
R238  22  [RC1005]  33.5 21.5 90 bottom
R239  22  [RC1005]  50.5 36 180 top
R240  22  [RC1005]  27 21.5 90 top
R241  22  [RC1005]  33 21.5 90 top
R242  22  [RC1005]  47 37.25 180 top
R243  22  [RC1005]  29 21.5 90 top
R244  22  [RC1005]  32 21.5 90 top
R245  332  [RC1005]  37 21.5 90 top
R246  22  [RC1005]  43 34.75 180 top
R247  22  [RC1005]  31.5 21.5 90 bottom
R248  22  [RC1005]  24.5 21.5 90 bottom
R249  22  [RC1005]  47 33.5 180 top
R250  22  [RC1005]  29.5 21.5 90 bottom
R251  22  [RC1005]  26 21.5 90 top
R252  22  [RC1005]  43 33.5 180 top
R253  22  [RC1005]  31 21.5 90 top
R254  22  [RC1005]  25 21.5 90 top
R255  22  [RC1005]  50.5 35 180 top
R256  22  [RC1005]  30.5 21.5 90 bottom
R257  22  [RC1005]  25.5 21.5 90 bottom
R258  22  [RC1005]  50.5 33.75 180 top
R259  22  [RC1005]  32.5 21.5 90 bottom
R260  22  [RC1005]  23.5 21.5 90 bottom
R261  22  [RC1005]  43 32.25 180 top
R262  22  [RC1005]  50.5 31 180 top
R263  22  [RC1005]  50.5 29.75 180 top
R264  22  [RC1005]  47 32.25 180 top
R265  22  [RC1005]  50.5 32.25 180 top
R266  22  [RC1005]  45.5 43.75 180 top
R267  22  [RC1005]  45.5 42.5 180 top
R268  22  [RC1005]  48.75 43.75 180 top
R269  22  [RC1005]  48.75 45 180 top
R270  100K  [RC1608]  42 24 0 bottom
R271  22  [RC1005]  42.25 45 180 top
R272  22  [RC1005]  48.75 42.5 180 top
R273  22  [RC1005]  45.5 41.25 180 top
